# Altium PCB pressure gage V1.04_20150525.PcbDoc
Units mil, origin at the board's own origin, x right, y up, seen from the top; angles counter-clockwise.
Board outline 2559.06 x 2559.06 mil, 2 copper layers (Top Layer, Bottom Layer); 44 components, 52 nets, 199 pads, 38 vias.
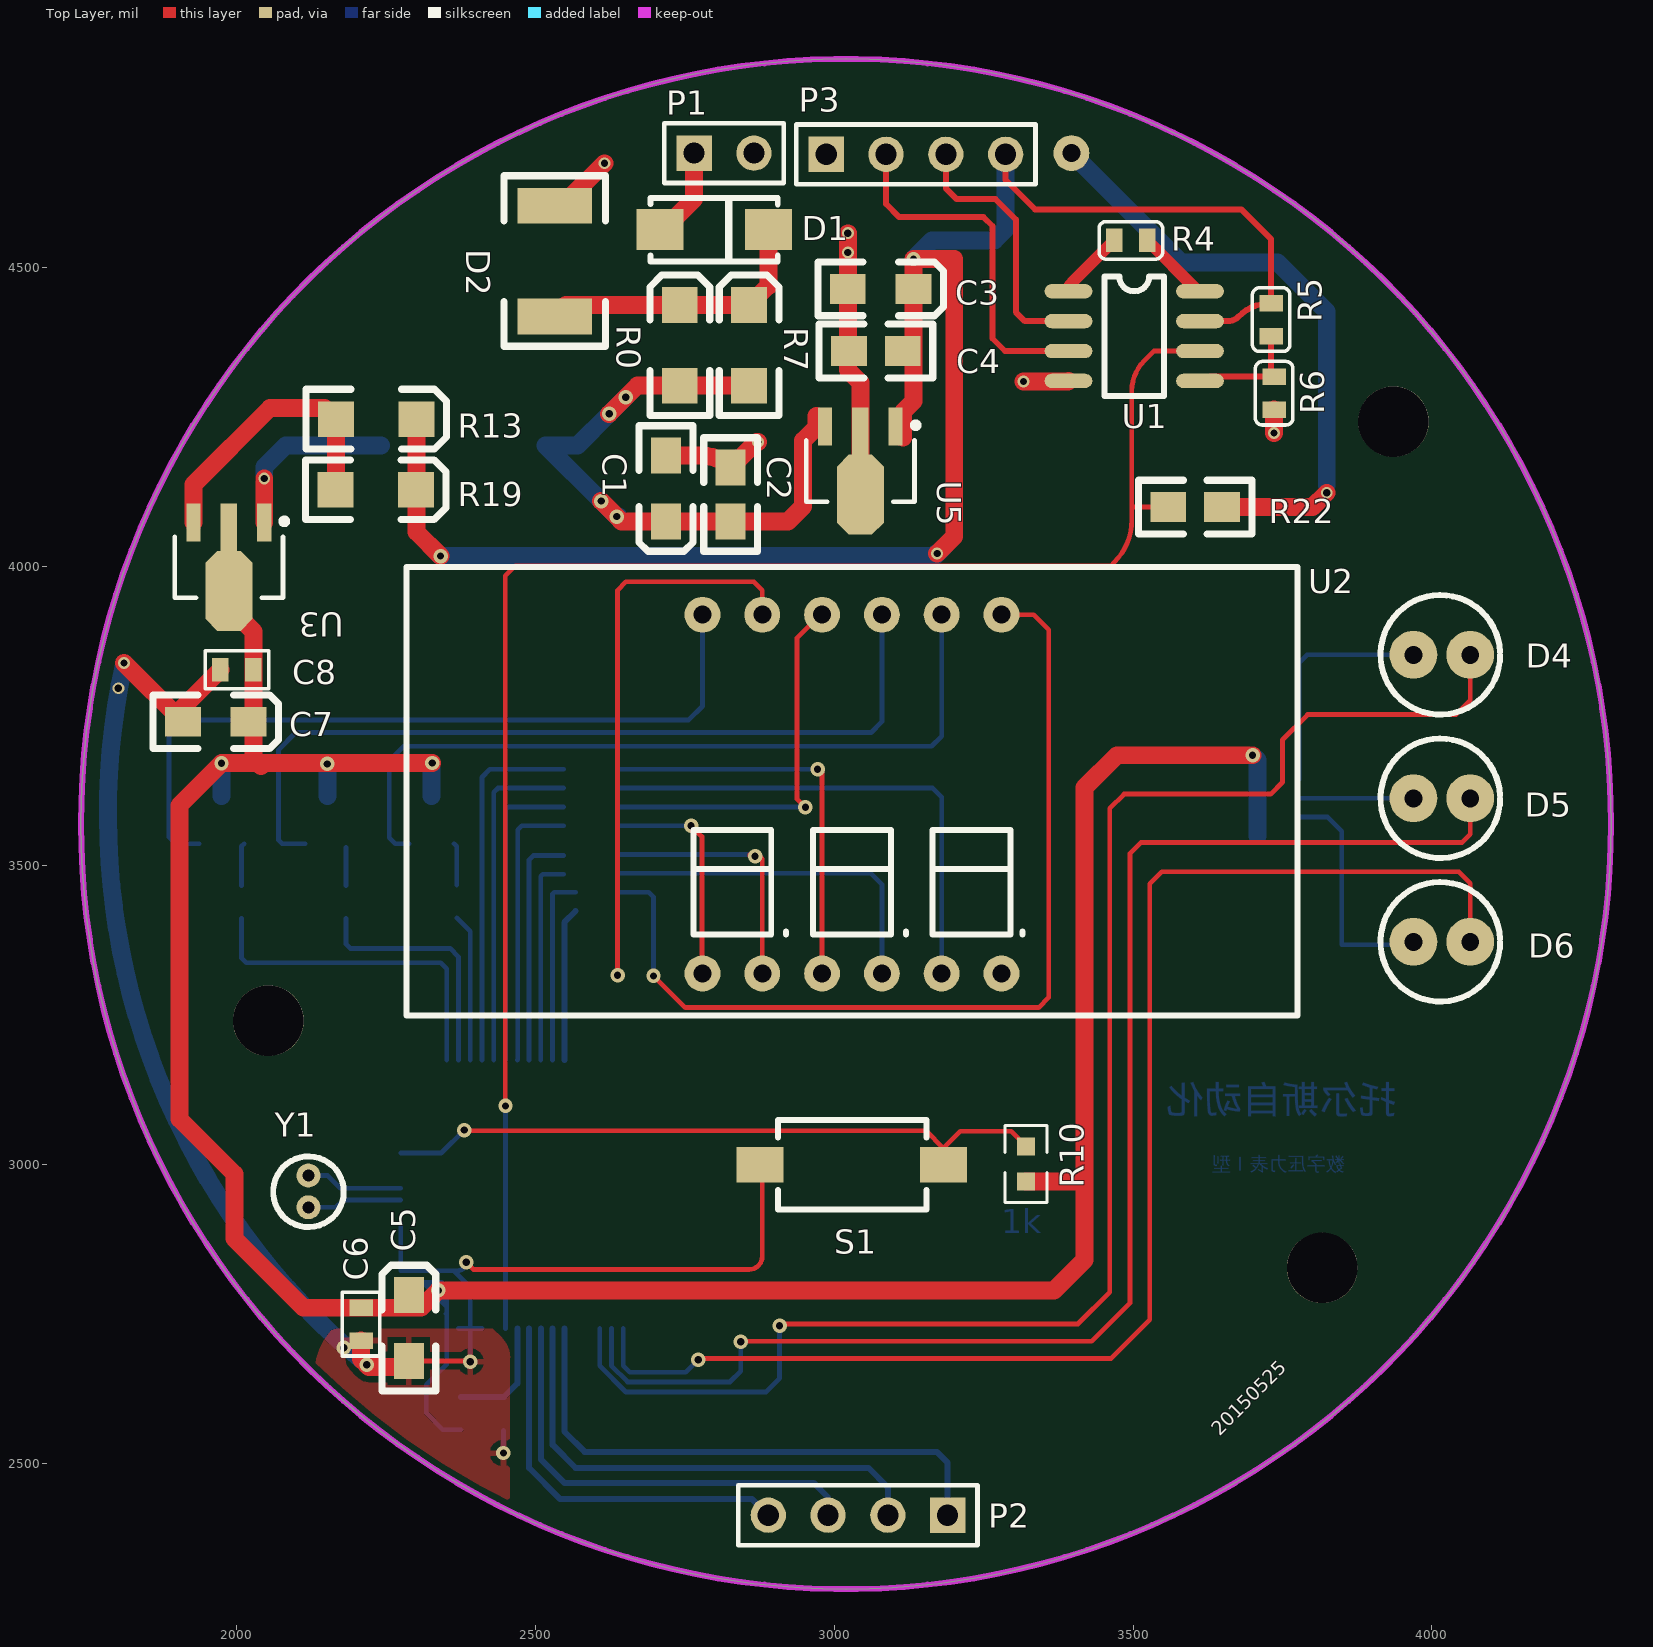
[diagram p0: Top Layer view]
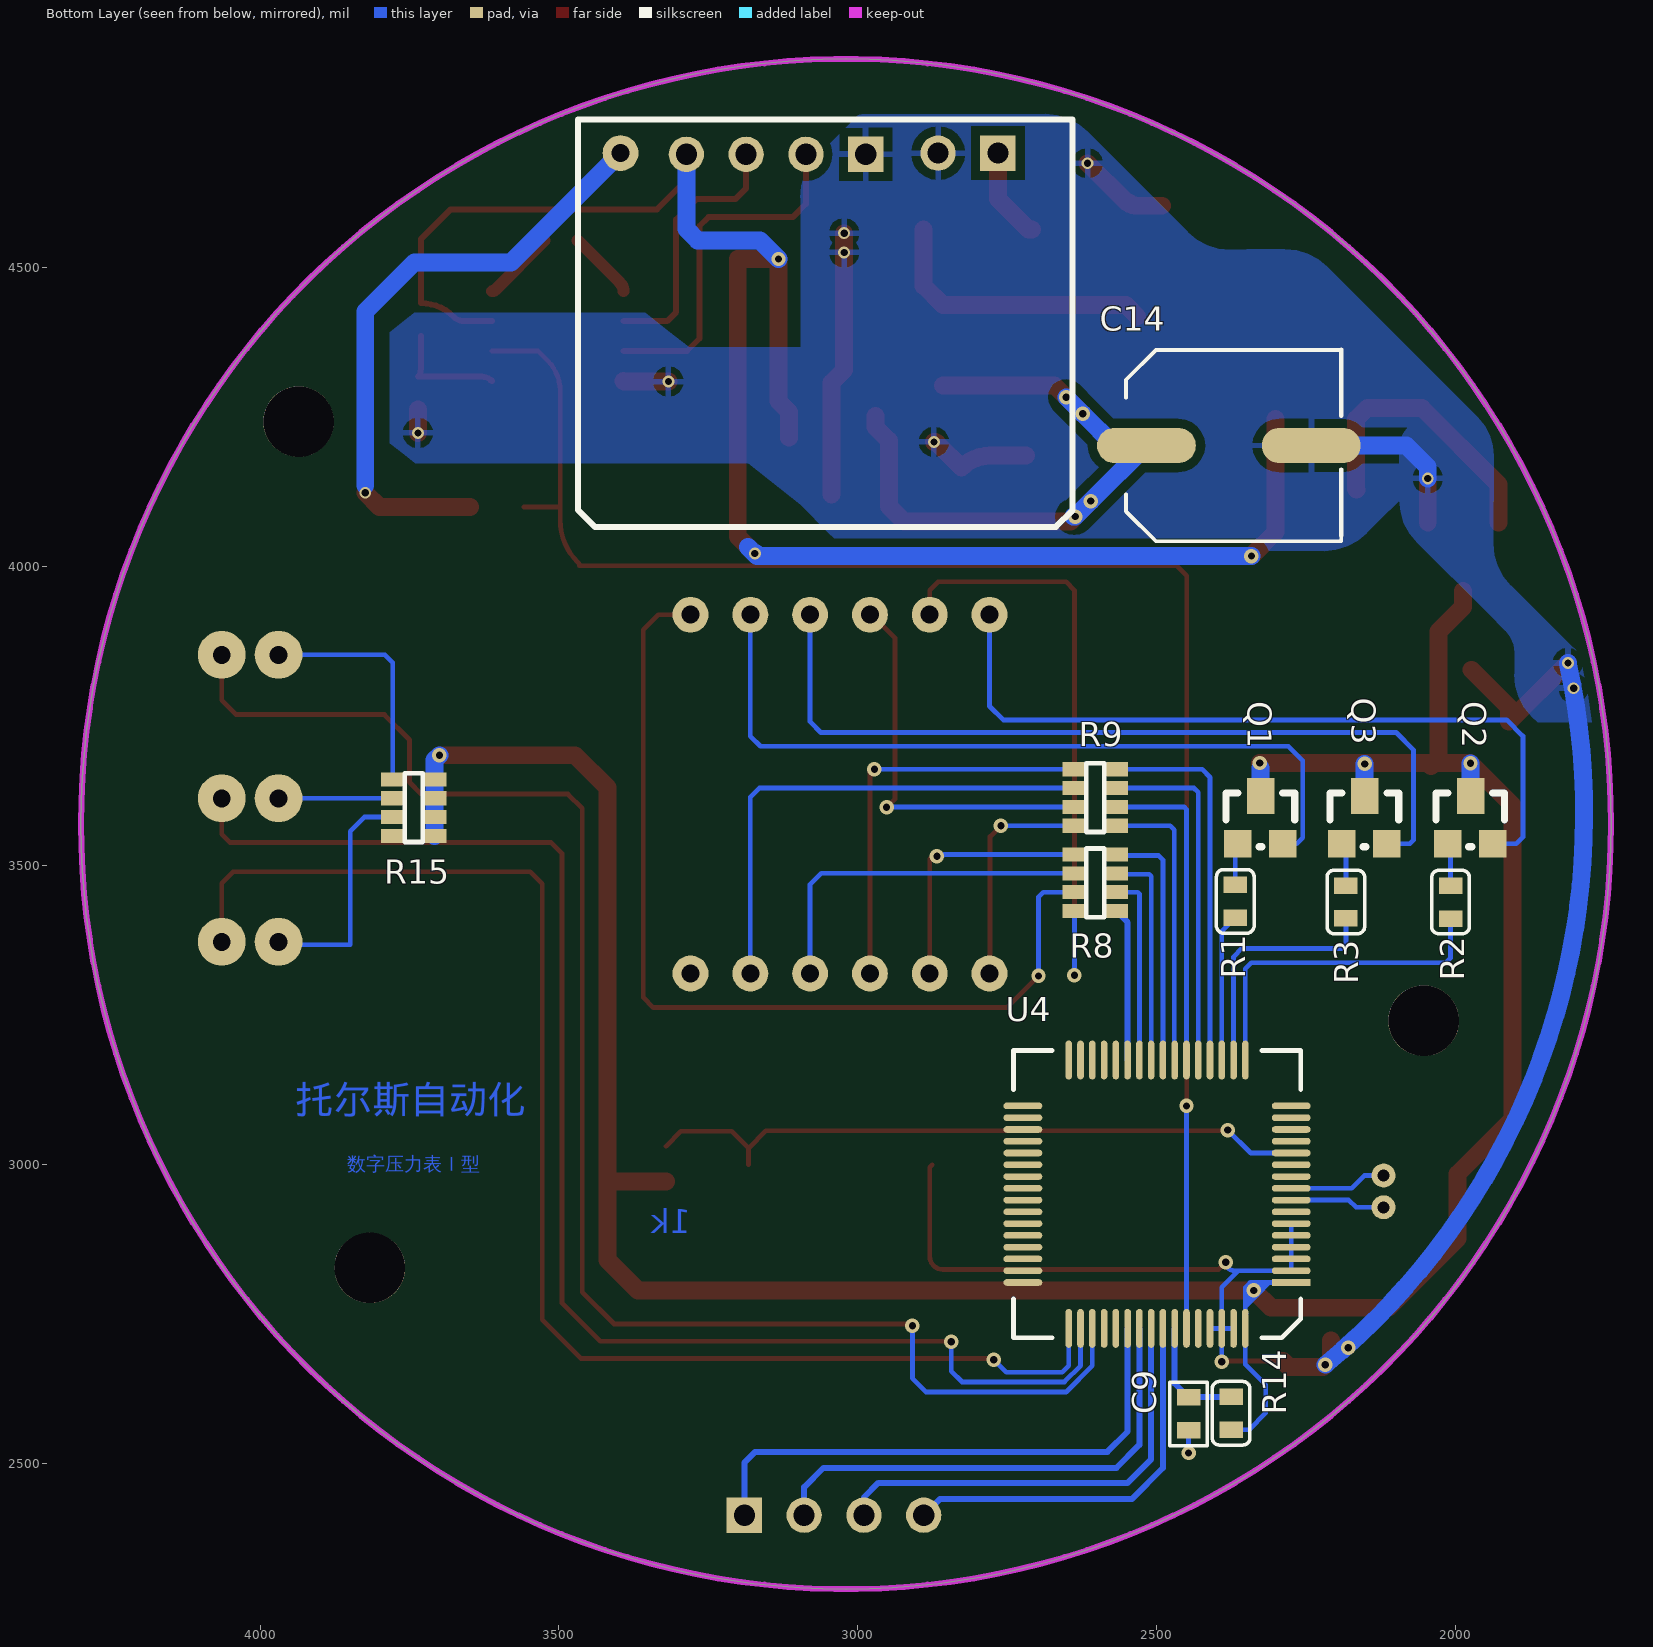
[diagram p1: Bottom Layer view, seen from below]
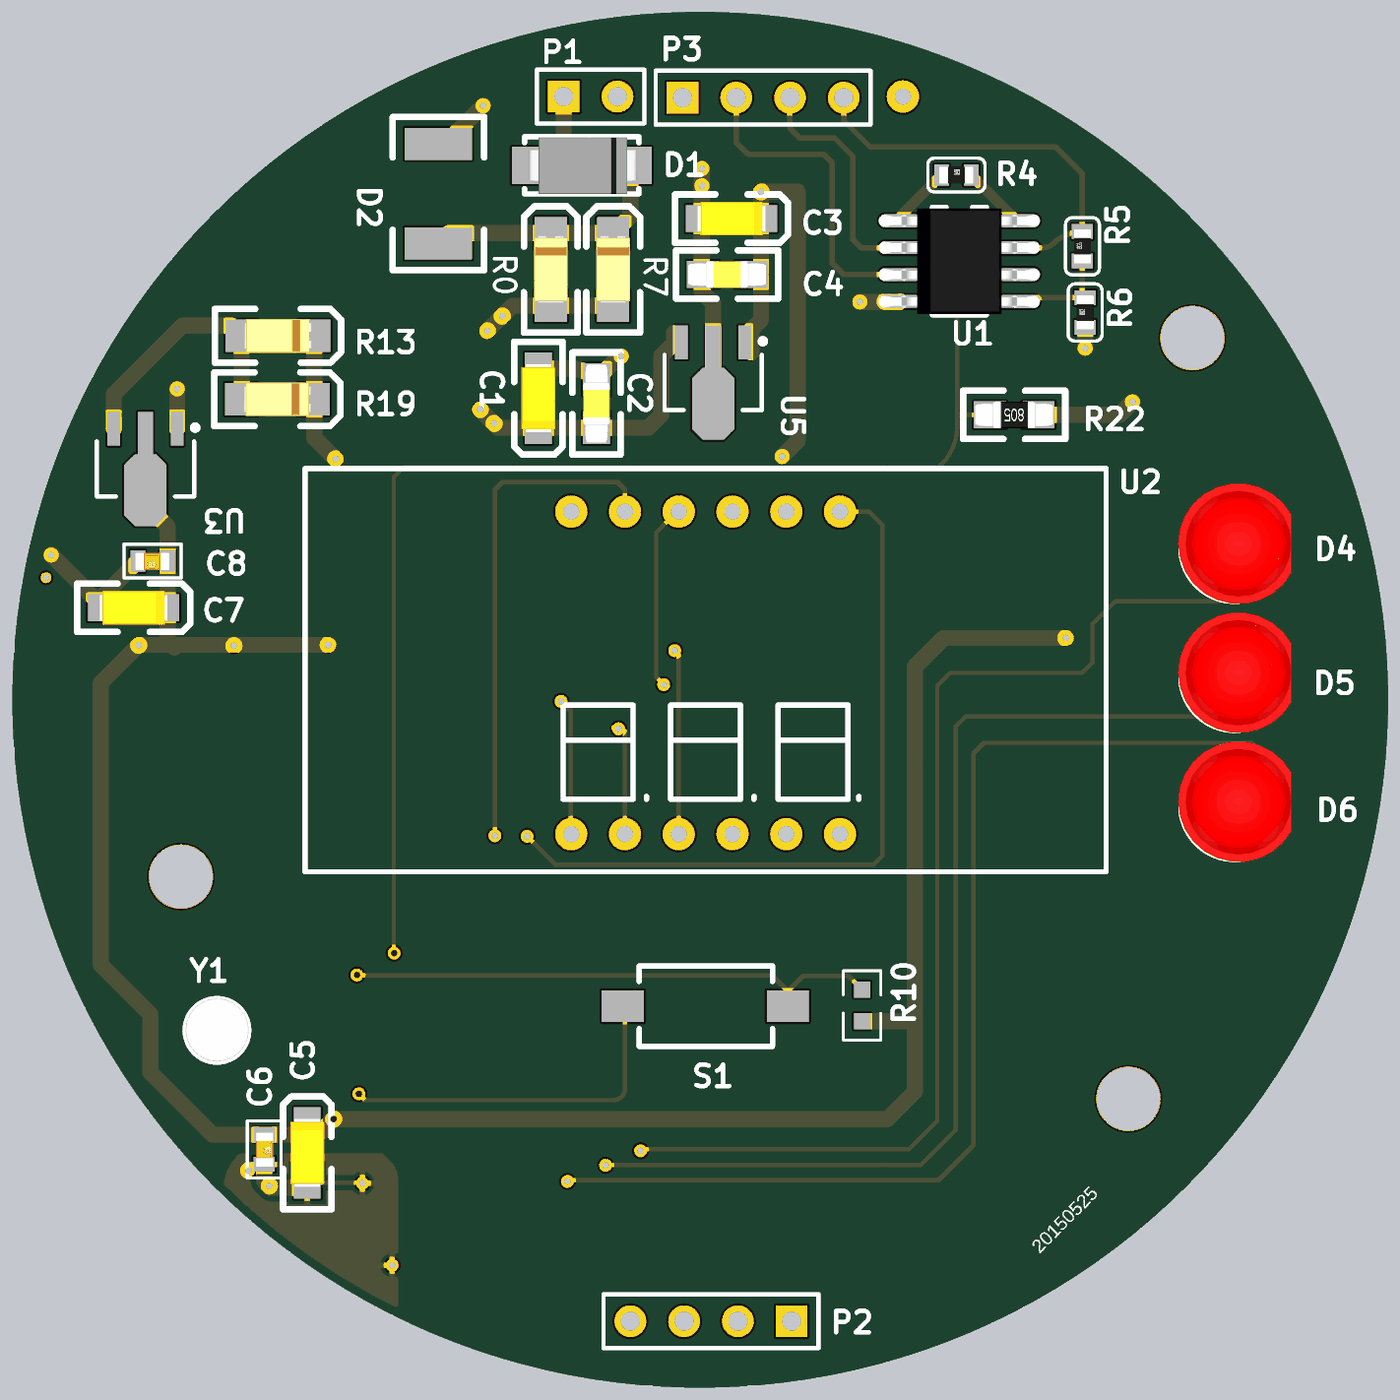
[diagram p2: 3D render of the assembled board from above, using the file's embedded part models]
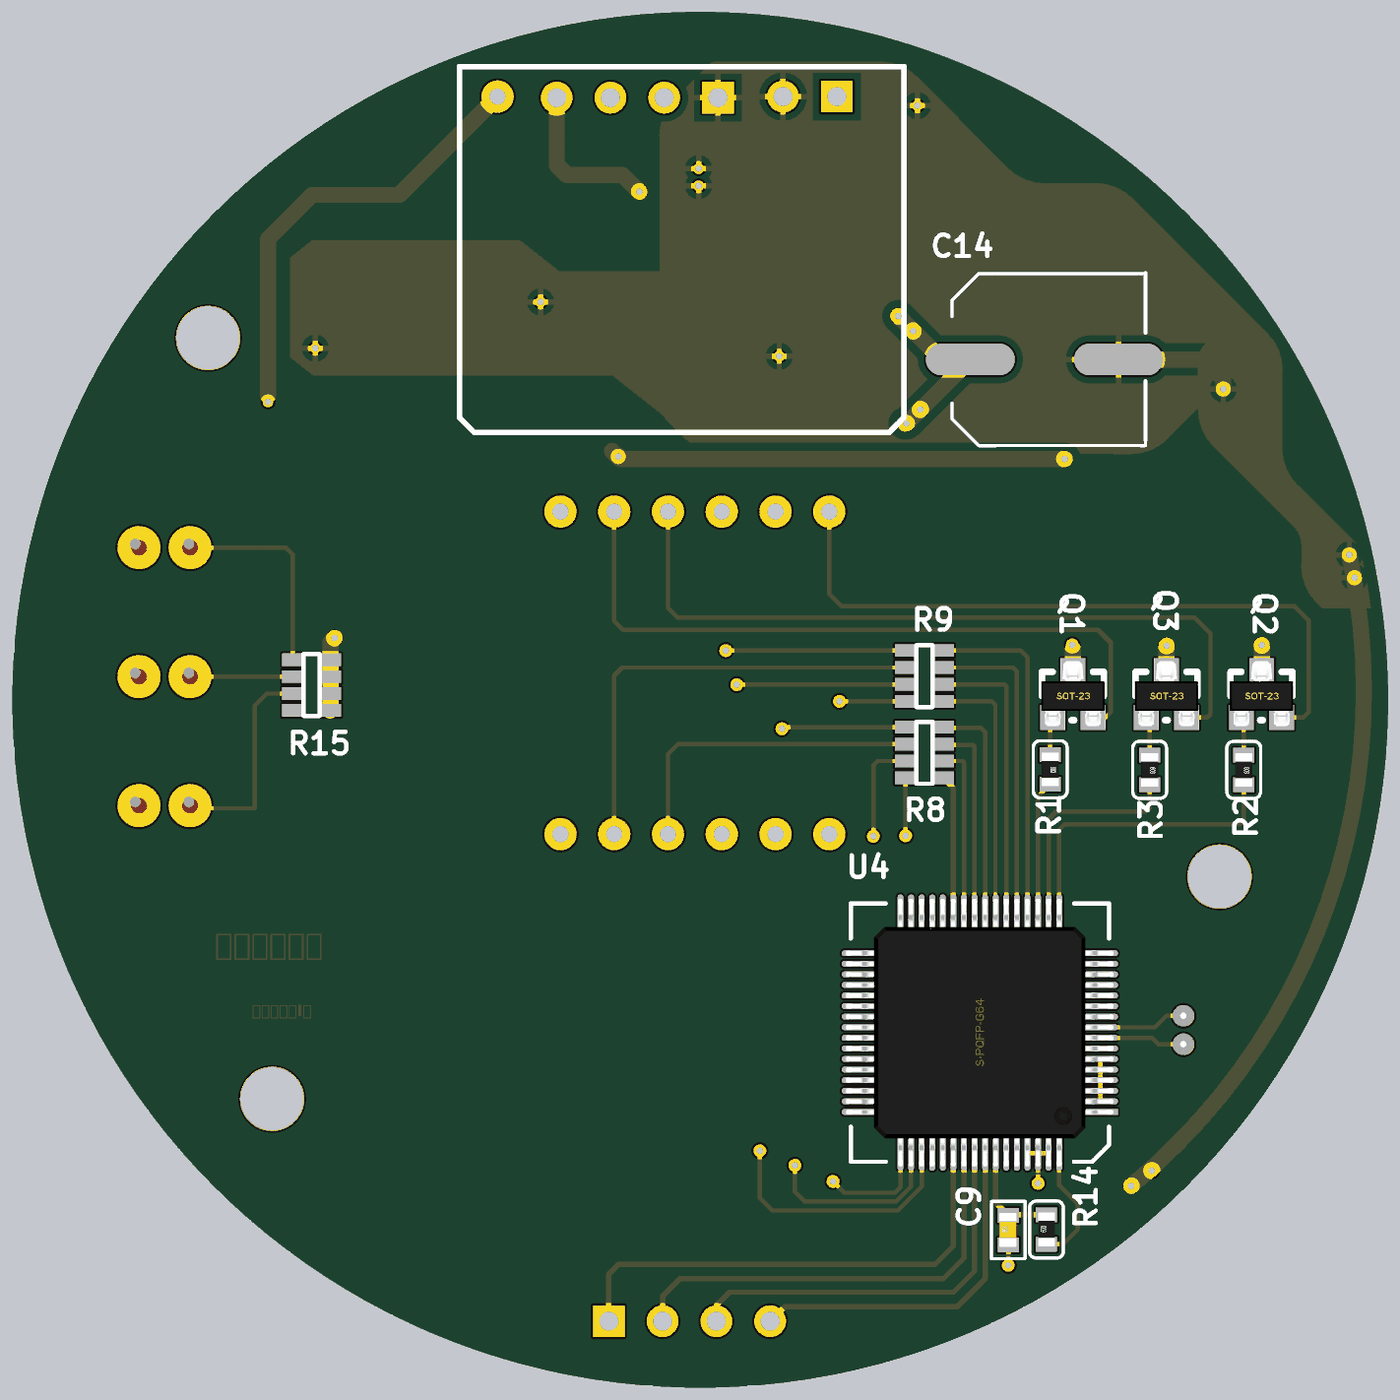
[diagram p3: 3D render of the assembled board from below, using the file's embedded part models]

## Layer stack, top to bottom
Top Layer: signal copper 1.4
Dielectric: dielectric 12.6, FR-4, Dk 4.8
Bottom Layer: signal copper 1.4

## Board outline
3020,2290.47 cw(c3020,3570) 1740.47,3570 cw(c3020,3570) 3020,4849.53 cw(c3020,3570) 4299.53,3570 cw(c3020,3570)

## Design rules (kind name [scope] priority, off if disabled: settings)
Clearance [inpoly] p1: gap=15
PolygonConnect [All] p1: connectstyle=Relief reliefconductorwidth=10 reliefentries=4 polygonreliefangle="90 Angle"
RoomDefinition "pressure gage" [InComponentClass('pressure gage')] p1: confinementstyle=ConfineIn formatcopy=TRUE lockcomponents=FALSE outline 0,0 2000,0 2000,1000 0,1000
RoutingVias [All] p1: holewidth=28 width=50 viastyle="Through Hole" minholewidth=28 minwidth=50 maxholewidth=28 maxwidth=50
SilkscreenOverComponentPads [All] p1: minsilkscreentomaskgap=10
SolderMaskExpansion [All] p1: expansion=4
Width [All] p1: maxlimit=40 minlimit=8 preferedwidth=8
27 further rules are at their usual default settings.

## Components (designator, comment, footprint, x,y, rotation, side; value= is the part's Value field where it differs from the comment)
C1 "10uf" 3216 2719,4131 r270 top
C2 "100nf" 0805_C_Y 2827,4076 r90 top
C3 "10uf" 3216 3078,4465 r0 top
C4 "100nf" 0805_C_Y 3115,4361 r180 top
C5 "10uf" 3216 2289,2727 r90 top
C6 "100nf" 0603AC 2209,2761 r270 top
C7 "10uf" 3216 1966,3741 r0 top
C8 "100nf" 0603AC 2029,3828 r180 top
C9 "100nf" 0603AC 2447,2556 r90 bottom
C14 "220uF/50v" D50 2241.4,4202.46 r270 bottom
D1 "Diode 1N4007" DO-214 2709,4564 r0 top
D2 "SMAJ30CA" 1812 2533,4604 r270 top
D4 "LED" LED 3969,3853 r0 top locked
D5 "LED" LED 3969,3613 r0 top locked
D6 "LED" LED 3969,3373 r0 top locked
P1 "Header 2" HDR1X2 2766,4692 r0 top
P2 "Header 4*2.54" HDR1X4 3190,2414 r180 top
P3 "Header 4*2.54" HDR1X4 2987,4690 r0 top
Q1 "S8050" SOT-23_Y 2327,3577 r180 bottom
Q2 "S8050" SOT-23_Y 1976,3577 r180 bottom
Q3 "S8050" SOT-23_Y 2153,3577 r180 bottom
R0 "100k" 1206 2742,4438 r270 top
R1 "330" 0603AR 2369,3468.12 r270 bottom
R2 "330" 0603AR 2009,3467 r270 bottom
R3 "330" 0603AR 2184,3467.12 r270 bottom
R4 "10k" 0603AR 3468.88,4546 r0 top
R5 "10k" 0603AR 3731,4386 r90 top
R6 "1k" 0603AR 3736,4262.88 r90 top
R7 "100k" 1206 2858,4438 r270 top
R8 "排阻470*4" 8P4R_0603 2638,3518.99 r180 bottom
R9 "排阻470*4" 8P4R_0603 2638,3661.5 r180 bottom
R10 "1k" 0603 3321.41,3030.85 r270 top
R13 "100k" 1206 2302,4247 r180 top
R14 "100k" 0603AR 2376,2557 r90 bottom
R15 "排阻470*4" 8P4R_0603 3708,3550 r0 bottom
R19 "100k" 1206 2301,4129 r180 top
R22 "Comment" 0805_R_Y 3649,4100 r180 top
S1 "SW-PB" SW-SMD1 3183,3000 r180 top locked
U1 "AD620AR" SO-8_Y 3392,4461 r0 top
U2 "3位共阳极数码管" 3位数码管0.56 2780,3320 r0 top locked
U3 "LM1117MP-3.3" SOT89M 1988,3999.37 r270 top
U4 "MSP430F14X" S-PQFP-G64_Y 2500,2951 r90 bottom
U5 "MC7812CT" SOT89M 3044,4160.07 r270 top
Y1 "晶振32.768k" Crastal_32.768_Y 2121,2982 r270 top

## Footprints (in the part's own frame and the unit in brackets; to place one, negate y for a bottom-side part, rotate by r counter-clockwise, add the part's x,y. Pads: shape width x height; smd on the part's side, far side on the other; paste and mask are expansions set on the pad)
3位数码管0.56 [mil]
  round 60 hole 30: 1(0,600) 2(300,600) 3(400,600) 6(500,0) a(100,600) b(500,600) c(300,0) d(100,0) dot(200,0) e(0,0) f(200,600) g(400,0)
  silkscreen extent -495,-70 995,680
8P4R_0603 [mm]
  rect 1.016x0.6 smd: 1(0,0) 2(1.778,0) 3(0,-0.8) 4(1.778,-0.8) 5(0,-1.6) 6(1.778,-1.6) 7(0,-2.4) 8(1.778,-2.4)
  silkscreen extent 0.51,-2.67 1.27,0.25
0603 [mil]
  rect 30x30 smd: 1(-0.15,-0.41) 2(58.85,-0.41)
  silkscreen extent -35,-35 94,35
0603AC [mm]
  rect 0.7x1 smd: 1(0,0) 2(1.4,0)
  silkscreen extent -0.65,-0.8 2.05,0.8, body extent -0.09,-0.38 1.51,0.42, height 0.3
0603AR [mm]
  rect 0.7x1 smd: 1(0,0) 2(1.4,0)
  silkscreen extent -0.65,-0.8 2.05,0.8, body extent -0.1,-0.4 1.5,0.4, height 0.3
0805_C_Y [mil] "0805贴片电容（已加焊）"
  rect 60x50 smd: 1(0,0) 2(90,0)
  silkscreen extent -50,-45 140,45, body extent -27,-25 117,25, height 14
0805_R_Y [mil] "0805贴片电阻（已加焊）"
  rect 60x50 smd: 1(0,0) 2(90,0)
  silkscreen extent -50,-45 140,45, body extent -27,-25 117,25, height 14
1206 [mil] "作者：王千会"
  rect 60x60 smd: 1(0,0) 2(135,0)
  silkscreen extent -50,-50 185,50, body extent 5,-31 130,31, height 63
1812 [mil]
  rect 60x125 smd: 1(0,0) 2(185,0)
  silkscreen extent -50,-85 235,85
3216 [mil]
  rect 60x50 smd: 1(55,0) 2(-55,0)
  silkscreen extent -105,-45 105,45, body extent -63,-31 63,31, height 63
Crastal_32.768_Y [mil]
  round 40 hole 20: 1(0,0) 2(53,0)
  silkscreen extent -32,-59 86,59, body extent -33,-59 85,59, height 354
D50 [mm]
  oval 1.5x4.2 smd: 1(-0.014,-7.015) 2(-0.014,-0.015)
  silkscreen extent -4.1,-7.88 4.06,1.26
DO-214 [mm]
  rect 2x1.75 smd: 1(0,0) 2(4.6,0)
  silkscreen extent -0.4,-1.35 5,1.35, body extent -0.2,-1.34 4.91,1.33, height 2.12
HDR1X2 [mm] "Connector; Header; 2 Position"
  rect 1.5x1.5 hole 0.9: 1(0,0)
  round 1.5 hole 0.9: 2(2.54,0)
  silkscreen extent -1.27,-1.27 3.81,1.27
HDR1X4 [mm] "Connector; Header; 4 Position"
  rect 1.5x1.5 hole 0.9: 1(0,0)
  round 1.5 hole 0.9: 2(2.54,0) 3(5.08,0) 4(7.62,0)
  silkscreen extent -1.27,-1.27 8.89,1.27
LED [mil]
  round 80 hole 30: 1(0,0) 2(95,0)
  silkscreen extent -55,-100 145,100, body extent -60,-105 151,119, height 339
S-PQFP-G64_Y [mil]
  rect 11x65 smd: 1(-147.76,-224.58)
  oval 11x65 smd: 2(-128.08,-224.58) 3(-108.39,-224.58) 4(-88.71,-224.58) 5(-69.02,-224.58) 6(-49.34,-224.58) 7(-29.65,-224.58) 8(-9.97,-224.58) 9(9.72,-224.58) 10(29.4,-224.58) 11(49.09,-224.58) 12(68.77,-224.58) 13(88.46,-224.58) 14(108.14,-224.58) 15(127.83,-224.58) 16(147.51,-224.58) 33(147.51,224.24) 34(127.83,224.24) 35(108.14,224.24) 36(88.46,224.24) 37(68.77,224.24) 38(49.09,224.24) 39(29.4,224.24) 40(9.72,224.24) 41(-9.97,224.24) 42(-29.65,224.24) 43(-49.34,224.24) 44(-69.02,224.24) 45(-88.71,224.24) 46(-108.39,224.24) 47(-128.08,224.24) 48(-147.76,224.24)
  oval 65x11 smd: 17(224.28,-147.81) 18(224.28,-128.13) 19(224.28,-108.44) 20(224.28,-88.76) 21(224.28,-69.07) 22(224.28,-49.39) 23(224.28,-29.7) 24(224.28,-10.02) 25(224.28,9.67) 26(224.28,29.35) 27(224.28,49.04) 28(224.28,68.72) 29(224.28,88.41) 30(224.28,108.09) 31(224.28,127.78) 32(224.28,147.46) 49(-224.54,147.46) 50(-224.54,127.78) 51(-224.54,108.09) 52(-224.54,88.41) 53(-224.54,68.72) 54(-224.54,49.04) 55(-224.54,29.35) 56(-224.54,9.67) 57(-224.54,-10.02) 58(-224.54,-29.7) 59(-224.54,-49.39) 60(-224.54,-69.07) 61(-224.54,-88.76) 62(-224.54,-108.44) 63(-224.54,-128.13) 64(-224.54,-147.81)
  silkscreen extent -240,-240 240,240, body extent -257,-257 257,257, height 62
SO-8_Y [mil] "AD780AR（?"
  oval 80x24 smd: 1(0,0) 2(0,-50) 3(0,-100) 4(0,-150) 5(220,-150) 6(220,-100) 7(220,-50) 8(220,0)
  silkscreen extent 60,-175 160,25, body extent -40,-174 260,23, height 69
SOT89M [mm] "SOT89, 3-Leads, Body 4.5x2.4 mm, Pitch 1.5mm, Lead Span 4.1mm, IPC Low Density"
  rect 1.6x0.6 smd: 1(-1.9,1.5) 3(-1.9,-1.5)
  rect 2x0.7 smd: 2(-1.7,0)
  oct 3.4x2 smd: 2(1,0)
  silkscreen extent -2.07,-2.3 1.3,2.48, body extent -1.3,-2.3 1.3,2.3, height 1.6
SOT-23_Y [mil] "IMP809T（?"
  rect 46x46 smd: 1(-37.5,-40) 2(37.5,-40)
  rect 46x60 smd: 3(0.5,40)
  silkscreen extent -58,-45 58,45, body extent -60,-63 61,70, height 39
SW-SMD1 [mm]
  rect 2x1.5 smd: 1(0,0) 2(7.8,0)
  silkscreen extent 0.73,-1.9 7.03,1.9, body extent -0.06,-1.94 7.83,1.91, height 2.5

## Part data
C1 C3 C5 C7: library part "Cap Pol2", "Polarized Capacitor (Axial)"
C2 C4 C6 C8 C9: library part Cap, "Capacitor"
C14: library part "CAPACITOR POL", "Capacitor"
D1: "1 Amp General Purpose Rectifier"
D2: library part "Diode 1N5402", "3 Amp General Purpose Rectifier"
D4 D5 D6: library part LED0, "Typical INFRARED GaAs LED"
P1: "Header, 2-Pin"
P2 P3: library part "Header 4", "Header, 4-Pin"
Q1 Q2 Q3: library part 2N3904, "NPN General Purpose Amplifier"
R0 R1 R2 R3 R4 R5 R6 R7 R10 R13 R14 R19: library part Res2, "Resistor"
R8 R9 R15: library part "排阻 8P4R"
S1: "Switch"
U1: "Low-Cost, Low-Power Instrumentation Amplifier"
U3: "800mA Low-Dropout Linear Regulator"
U5: "Three-Terminal Positive Voltage Regulator"
Y1: library part XTAL, "Crystal Oscillator"

## Free pads (board coordinates)
  round 118.11 hole 118.11: 0(2053.96,3240.98) 0(3816.4,2827.6) 0(3935.51,4242.92)
  round 60 hole 30: 0(3397,4692)

## Via types
v1: diameter 24, hole 12, Top Layer to Bottom Layer, 27 vias
v2: diameter 20, hole 12, Top Layer to Bottom Layer, 11 vias

## Nets (pads, with @x,y where several pads share a name; then routed paths per layer and width w, separated by ;. In a path a pad name is that pad's centre, name@x,y a point inside that pad or via, vN(x,y) a via of type N, cw(c..) or ccw(c..) an arc to the next point about the centre after c; other vN are vias at no path point)
3.3V: C5.1 C6.1 C7.1 C8.1 Q1.3 Q2.3 Q3.3 R10.2 R14.1 R15.1 R15.3 R15.5 R15.7 U3.2@1988,3960 U4.1 U4.64 | length 5017.4
  Top Layer w30: U3.2@1988,3960 1988,3933 2029,3892 C8.1 2029,3741 2029,3680 2037,3672 ; v1(2328,3672) 2152.5,3672 2047,3672 ; R10.2 3413,2972 3419,2978 ; v1(3700,3685) 3473,3685 3419,3631 3419,2978 ; 2037,3672 2047,3672 ; 2037,3672 1976,3672 v1(1975.5,3671.5) 1905,3601 1905,3077 1997,2985 1997,2877 2113,2761 C6.1 2289,2761 2309,2761 2309.5,2761.5 v1(2338,2790) 3368,2790 3419,2841 3419,2978 ; 2037,3672 2042,3667 2047,3672
  Bottom Layer w8: U4.1 2311.95,2803.24 ; v1@2340.19,2790 v1(2338,2790) ; U4.64@2351,2751 U4.64@2352.19,2751 ; R14.1 2346,2557 2318,2585 2318,2632 2352.19,2666.19 U4.64 U4.64@2352.19,2751 ; 2311.95,2803.24 2319.76,2803.24 ; 2311.95,2803.24 2331.59,2783.59 2340.09,2775.09 ; 2319.76,2803.24 2333,2790 v1(2338,2790) ; 2319.76,2803.24 2338,2803.24 2343.76,2803.24 2347.5,2799.5 2352.19,2794.81 2352.19,2790 2352.19,2763 ; v1(2338,2790) 2352,2776 2341,2776 2340.09,2775.09 ; 2340.09,2775.09 2352.19,2763 ; U4.64@2352.19,2751 2352.19,2763
  Bottom Layer w30: Q2.3 v1(1975.5,3671.5) ; Q3.3 v1(2152.5,3670.5) ; Q1.3 2326.5,3663.5 v1@2327,3664 ; v1(3700,3685) 3708,3677 R15.7 R15.5 R15.3 R15.1
12V: C3.1 C4.1 P3.4 R5.2 R13.1 R19.1 U1.7 U5.1 | length 3042
  Top Layer w10: P3.4 3287,4647 3336,4598 3681,4598 3731,4548 R5.2 ccw(c3731,4364.15) 3676.57,4418.57 cw(c3658.29,4436.86) 3658.29,4411 U1.7
  Top Layer w30: R13.1 2302,4129 2302,4058 v1(2342,4018) ; 3115,4216 3115,4234.87 3115,4259 3133,4277 3133,4361 C3.1 v1(3133,4515) 3201,4515 3201,4051 v2(3172.5,4022.5)
  Bottom Layer w30: v1(2342,4018) 3101,4018 v2@3166,4018 ; v1(3133,4515) 3164,4546 3268,4546 3287,4565 P3.4 ; v2@3171.5,4023.5 v2@3166,4018 ; 3184,4033 3173,4022 3169,4018 v2@3166,4018
24VIN: D1.1 P1.1 | length 155.1
  Top Layer w30: D1.1 2715,4564 2766,4615 P1.1
AD0: R22.2 U1.6 U4.59 | length 2799.4
  Top Layer w8: v1@2450,3095 2450,3098.61 2450,3985 2467,4002 3466,4002 ; 3466,4005 3468.71,4007.71 ccw(c3398,4078.42) 3498,4078.42 3498,4294.3 cw(c3569.7,4294.3) 3519,4345 3535,4361 U1.6 ; 3499,4100 R22.2
  Bottom Layer w8: U4.59 v1(2450.61,3098.61)
C1: R2.2 U4.17 | length 569.1
  Bottom Layer w8: R2.2 2009,3346 2017,3338 2342,3338 2352.19,3327.81 U4.17
C2: R3.2 U4.18 | length 412.4
  Bottom Layer w8: R3.2 2184,3369 2191,3362 2358,3362 2371.87,3348.13 U4.18
C3: R1.2 U4.19 | length 247.1
  Bottom Layer w8: R1.2 2391.56,3390.44 U4.19
GND: C1.2 C2.2 C3.2 C4.2 C5.2 C6.2 C7.2 C8.2 C9.1 C14.2 D2.1 P1.2 P3.1 R6.1 S1.2 U1.4 U3.1 U4.2 U4.3 U4.4 U4.5 U4.6 U4.61 U4.62 U4.63 U5.2@3044,4120.7 | length 4131.9
  Top Layer w8: C5.2 2390.12,2672 v1(2391.56,2670.56) ; v1(2385,2837) 2397,2825 2858,2825 ccw(c2858,2847) 2880,2847 2880,2995.91 S1.2
  Top Layer w30: v2(1812.66,3839.31) C7.2 1911,3765.12 C8.2 ; U3.1 v2(2047.06,4148.06) ; C6.2 2209,2675 v1(2218.39,2665.61) 2222,2662 2279,2662 C5.2 ; D2.1@2491.42,4604 D2.1 ; v2(2616,4675) D2.1@2553.49,4612.49 ; C1.2 2778.72,4186 cw(c2778.72,4117.72) C2.2 2867.88,4206.88 cw(c2873,4201.76) v2(2873,4209) ; v2(3023,4558) v2(3023,4526) C3.2 3023,4361 3023,4329 3044,4308 U5.2@3044,4120.7 ; v2(3317,4310) 3391,4310 U1.4 ; v2(3736,4224) R6.1 ; D2.1 ccw(c2533,4623.31) 2546.66,4609.66 cw(c2533,4623.31) D2.1 ; D2.1 ccw(c2533,4632.97) D2.1@2553.49,4612.49 ; D2.1 ccw(c2533,4632.97) D2.1@2553.49,4612.49
  Bottom Layer w8: U4.6 U4.5 U4.4 U4.3 U4.2 2364.08,2822.92 ; U4.63 U4.62 ; v1(2385,2837) cw(c2370.92,2837) 2370.92,2822.92 2364.08,2822.92 ; v1(2391.56,2670.56) U4.62 ; U4.61 U4.62 ; v1(2447,2518) C9.1 ; 2364.08,2822.92 2391.56,2795.44 U4.62
  Bottom Layer w30: v2(1812.66,3839.31) ccw(c2980.39,3586) v1(2218.39,2665.61) ; v2(2047.06,4148.06) 2047.06,4167.06 2083,4203 C14.2
  other v1: 2180,2694
  other v2: 1803,3797
IN1: P3.2 U1.3 | length 600
  Top Layer w10: P3.2 3087,4607 3109,4585 3250,4585 3265,4570 3265,4382 3286,4361 3319,4361 U1.3
IN2: P3.3 U1.2 | length 452.3
  Top Layer w10: P3.3@3189.83,4683.17 cw(c3196.66,4690) P3.3 3187,4633 3205,4615 3270,4615 3304,4581 3304,4426 3319,4411 U1.2
KEY1: R10.1 S1.1 U4.12 | length 1130.8
  Top Layer w8: v1@2374,3057 2381.46,3057 3154,3057 S1.1@3183,3028 ; S1.1 S1.1@3183,3028 ; R10.1 3296,3056 3211,3056 S1.1@3183,3028
  Bottom Layer w8: U4.12 2343.23,3019.77 v1(2381.46,3058)
LED5: D6.2 U4.49 | length 2364.3
  Top Layer w8: v1@2771,2676 2773,2676 3463,2676 3528,2741 3528,3470 3548,3490 4045,3490 4064,3471 D6.2
  Bottom Layer w8: U4.49 2647.46,2664 2658.46,2653 2752,2653 v1(2773,2674)
LED6: D5.2 U4.50 | length 2418.1
  Top Layer w8: v1@2844,2705 3431,2705 3495,2769 3495,3521 3513,3539 4050,3539 4064,3553 D5.2
  Bottom Layer w8: U4.50 2627.78,2664 2654.78,2637 2826,2637 2844,2655 v1(2844,2704)
LED7: D4.2 U4.51 | length 2654.6
  Top Layer w8: v1@2912,2734 3408,2734 3461,2787 3461,3596 3485,3620 3730,3620 3750,3640 3750,3711 3792,3753 4040,3753 4064,3777 D4.2
  Bottom Layer w8: U4.51 2608.09,2664 2652.09,2620 2886,2620 2909,2643 v1(2909,2731)
NetC1_1: C1.1 C2.1 C14.1 R0.2 R7.2 U5.3 | length 1115
  Top Layer w30: v1(2610.62,4109.98) v1(2636.59,4084) 2644.59,4076 C1.1 C2.1 2923,4076 2948,4101 2948,4211 2971,4234 2971,4234.87 2971,4252 ; v1(2624,4256) v1(2651.66,4283.66) 2671,4303 R0.2 R7.2
  Bottom Layer w30: v1@2640,4084 v1(2636.59,4084) v1(2610.62,4109.98) C14.1 2571,4203 v1(2624,4256) v1(2651.66,4283.66)
NetD1_2: D1.2 D2.2 R0.1 R7.1 | length 472.2
  Top Layer w30: D2.2 2552,4438 R0.1 R7.1 2890.1,4470.1 D1.2
NetD4_1: D4.1 R15.8 | length 391.9
  Bottom Layer w8: R15.8 3778,3840 3791,3853 D4.1
NetD5_1: D5.1 R15.6 | length 191
  Bottom Layer w8: R15.6 D5.1
NetD6_1: D6.1 R15.4 | length 392.8
  Bottom Layer w8: R15.4 3825.5,3581.5 3849,3558 3849,3368 3964,3368 D6.1
NetQ1_1: Q1.1 R1.1 | length 70.7
  Bottom Layer w8: Q1.1 2369,3532.5 R1.1
NetQ1_2: Q1.2 U2.3 | length 1310.6
  Bottom Layer w8: Q1.2 2266,3537 2256,3547 2256,3676 2280,3700 3163,3700 3180,3717 U2.3
NetQ2_1: Q2.1 R2.1 | length 71.9
  Bottom Layer w8: R2.1 2009,3532.5 Q2.1
NetQ2_2: Q2.2 U2.1 | length 1289.8
  Bottom Layer w8: Q2.2 1899,3537 1888,3548 1888,3717 1915,3744 2757,3744 2780,3767 U2.1
NetQ3_1: Q3.1 R3.1 | length 63.4
  Bottom Layer w8: R3.1 Q3.1@2184,3530.5
NetQ3_2: Q3.2 U2.2 | length 1405.5
  Bottom Layer w8: Q3.2 2077,3537 2071,3543 2071,3694 2100,3723 3062,3723 3080,3741 U2.2
NetR4_1: R4.1 U1.1 | length 131.4
  Top Layer w20: R4.1 3397.74,4474.86 ; 3397.74,4474.86 ccw(c3411.6,4461) U1.1 cw(c3411.6,4461) 3397.74,4474.86
NetR4_2: R4.2 U1.8 | length 122.9
  Top Layer w20: R4.2 3606.88,4463.12 ccw(c3612,4468.24) U1.8
NetR5_1: R5.1 R6.2 U1.5 | length 197.9
  Top Layer w10: U1.5@3614.41,4312 ccw(c3614.41,4308.59) U1.5 cw(c3628.9,4294.1) 3628.9,4318 R6.2 cw(c3748.07,4330.07) 3731,4330.07 R5.1
NetR8_1: R8.1 U2.d | length 459.2
  Top Layer w8: v1(2868,3516) 2858.98,3516 2858.98,3518.99 2868,3518.99 2873.01,3518.99 2880,3512 U2.d
  Bottom Layer w8: R8.1 2855.99,3518.99 2858.98,3516 v1(2868,3516)
NetR8_3: R8.3 U2.c | length 598.7
  Bottom Layer w8: R8.3 3061.5,3487.5 3080,3469 U2.c
NetR8_5: R8.5 U2.b | length 1589.7
  Top Layer w8: v1(2698,3316) 2751,3263 3342,3263 3359,3280 3359,3895 3334,3920 U2.b
  Bottom Layer w8: R8.5 2690,3456 2698,3448 v1(2698,3316)
NetR8_7: R8.7 U2.a | length 1046.1
  Top Layer w8: v1(2638,3317) 2638,3961 2652,3975 2866,3975 2880,3961 U2.a
  Bottom Layer w8: v1(2638,3317) R8.7
NetR9_1: R9.1 U2.dot | length 682.6
  Top Layer w8: v1(2972.5,3661.5) 2978.5,3661.5 2980,3660 U2.dot
  Bottom Layer w8: R9.1 v1(2972.5,3661.5)
NetR9_3: R9.3 U2.g | length 843.2
  Bottom Layer w8: R9.3 3165,3630 3180,3615 U2.g
NetR9_5: R9.5 U2.f | length 661
  Top Layer w8: v1(2952,3598) 2938,3612 2938,3881 2977,3920 U2.f
  Bottom Layer w8: R9.5 v1@2952,3598.5
NetR9_7: R9.7 U2.e | length 377.9
  Top Layer w8: v1(2761,3567.01) 2779,3549.01 2779,3321 U2.e
  Bottom Layer w8: R9.7 v1(2761,3567.01)
NetR13_2: R13.2 R19.2 U3.3 | length 481.2
  Top Layer w30: U3.3 1928.94,4137.94 2057,4266 2148,4266 R13.2 2167,4130 R19.2
NetU4_8: U4.8 Y1.2 | length 159.4
  Bottom Layer w8: Y1.2 2167,2929 2179.03,2941.03 U4.8
NetU4_9: U4.9 Y1.1 | length 163.2
  Bottom Layer w8: Y1.1 2153,2982 2174.28,2960.72 U4.9
P2.0: R9.2 U4.20 | length 615.2
  Bottom Layer w8: U4.20 2411.24,3648.24 2424.49,3661.49 R9.2@2548,3661.49
P2.1: R9.4 U4.21 | length 567.6
  Bottom Layer w8: U4.21 2430.93,3622.93 2437.99,3629.99 R9.4@2548,3629.99
P2.2: R9.6 U4.22 | length 518.3
  Bottom Layer w8: U4.22 2450.61,3594.61 2454.5,3598.5 R9.6@2548,3598.5
P2.3: R9.8 U4.23 | length 464.9
  Bottom Layer w8: U4.23 2471,3175.98 2471,3560 2478,3567 R9.8@2548,3567
P2.4: R8.2 U4.24 | length 395.8
  Bottom Layer w8: U4.24 2489.98,3509.98 2497.49,3517.49 R8.2@2548,3517.49
P2.5: R8.4 U4.25 | length 347.1
  Bottom Layer w8: U4.25 2509.67,3482.67 2512.99,3485.99 R8.4@2548,3485.99
P2.6: R8.6 U4.26 | length 317.8
  Bottom Layer w8: U4.26 2529.35,3453.35 2532,3456 R8.6
P2.7: R8.8 U4.27 | length 257.1
  Bottom Layer w10: U4.27 2549.04,3405.54 R8.8
RST: C9.2 R14.2 U4.58 | length 195.7
  Bottom Layer w10: R14.2 2447,2612.12 2448.12,2612.12 2470.3,2634.3 U4.58
TCK: P2.4 U4.57 | length 666.2
  Bottom Layer w10: U4.57 2489.98,2493.02 2542,2441 2863,2441 P2.4
TDI: P2.2 U4.55 | length 831.7
  Bottom Layer w10: U4.55 2529.35,2531.65 2568,2493 3058,2493 3090,2461 P2.2
TDO: P2.1 U4.54 | length 923
  Bottom Layer w10: U4.54 2549.04,2553.96 2583,2520 3172,2520 3190,2502 P2.1
TMS: P2.3 U4.56 | length 755.7
  Bottom Layer w10: U4.56 2509.67,2507.33 2549,2468 2966,2468 2990,2444 P2.3
pads on no net: R15.2 R22.1 U2.6 U3.2@1988,4066.3 U4.7 U4.10 U4.11 U4.13 U4.14 U4.15 U4.16 U4.28 U4.29 U4.30 U4.31 U4.32 U4.33 U4.34 U4.35 U4.36 U4.37 U4.38 U4.39 U4.40 U4.41 U4.42 U4.43 U4.44 U4.45 U4.46 U4.47 U4.48 U4.52 U4.53 U4.60 U5.2@3044,4227
copper on no net: | length 1012.7
  Top Layer w30: 3649,4100 3800,4100 v2(3824,4124)
  Bottom Layer w30: 3397,4692 3580,4509 3742,4509 3824,4427 3824,4136

## Polygon pours and split planes (outlines as drawn)
GND on Top Layer "Top Layer-No Net" (solid, remove dead copper, pour order 1001): 2133,2415 2133,2657.82 cw(c2225.18,2657.82) 2160,2723 cw(c2167.24,2715.76) 2167.24,2726 2429,2726 2443.86,2711.14 cw(c2409.72,2677) 2458,2677 2458,2375.66 ccw(c2471.66,2375.66) 2462,2366
GND on Bottom Layer "Bottom Layer-GND" (solid, pour order 1000): 1771,3740 1863,3740 1872.71,3749.71 ccw(c1802,3820.42) 1902,3820.42 1902,3856 cw(c1955.11,3856) 1917.56,3893.56 1947,3923 2064.71,4040.71 ccw(c1994,4111.42) 2094,4111.42 2094,4112 2094,4199.2 ccw(c2046.2,4199.2) 2080,4233 ccw(c2038.96,4191.96) 2038.96,4250 1964,4250 ccw(c2029.18,4184.82) 1937,4184.82 1937,4178 1937,4039.42 cw(c1837,4039.42) 1907.71,3968.71 1809,3870 1800.29,3861.29 ccw(c1871,3790.58) 1771,3790.58 1771,3740
GND on Bottom Layer "Bottom Layer-GND" (solid, remove dead copper, pour order 1001): 1962.74,4249.16 2215.29,4501.71 cw(c2286,4431) 2286,4531 2350,4531 2377.58,4531 ccw(c2377.58,4631) 2448.29,4560.29 2513,4625 2615.71,4727.71 cw(c2686.42,4657) 2686.42,4757 2897,4757 2993.76,4757 cw(c2993.76,4746.76) 3001,4754 3066.71,4688.29 cw(c2996,4617.58) 3096,4617.58 3096,4104 3048.29,4056.29 cw(c2977.58,4127) 2977.58,4027 2255,4027 2220.28,4027 cw(c2220.28,4127) 2149.56,4056.29 1960.01,4245.84
GND on Bottom Layer "Bottom Layer-GND" (solid, pour order 1002): 3095.65,4104 3183.6,4173.16 3535.4,4173.16 3739.98,4173.16 3758.14,4187.44 3783,4206.99 3783,4386.66 3783,4392.67 3750.5,4418.23 3741.89,4425 3431.2,4425 3355.68,4425 3314.57,4392.67 3282.06,4367.11 3088,4367.11

## Keep-outs
Keep-Out Layer:
  circle w10: c3020,3570 r1279.53

## Other copper
Bottom Layer:
  text "托尔斯自动化" at 3941,3070 h80
  text "数字压力表Ⅰ型" at 3854,2982 h40

## Silkscreen, mask and mechanical layers (free items; w line width, h text height)
Top Overlay:
  text "20150525" at 3651,2539 h40 r45
Bottom Overlay:
  lines w10: 2641,4095 2641,4734 2641,4748 3468,4748 3468,4095 3440,4067 2669,4067 2641,4095